# Altium PCB TimeDrive.PcbDoc (part 1 of 4) (continued)
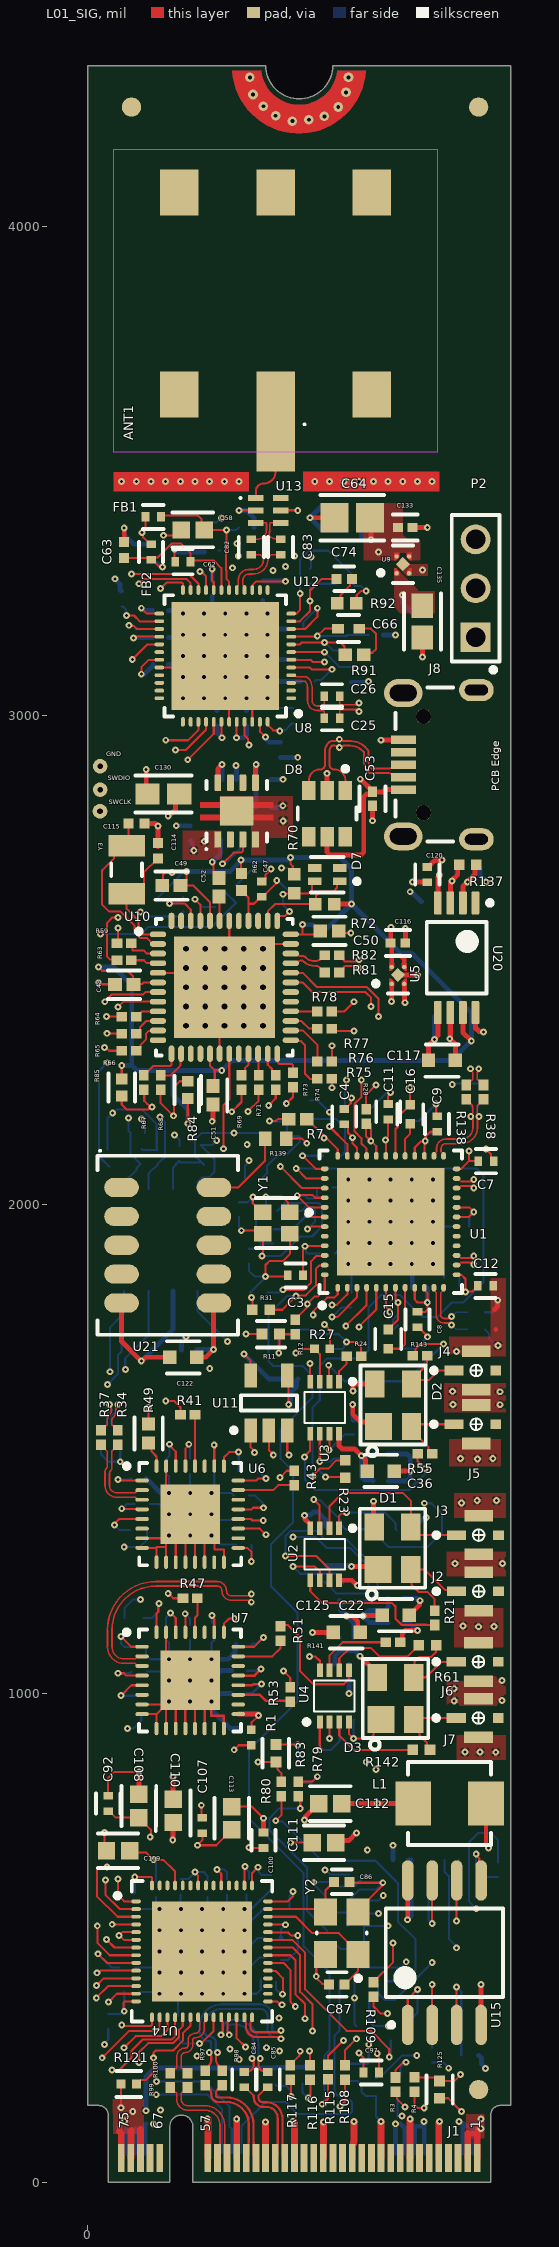
[diagram p0: L01_SIG view]
## Components (designator, comment, footprint, x,y, rotation, side; value= is the part's Value field where it differs from the comment)
ANT1 "Taoglas_UWB_Antenna" "UWC.20 ANTENNA" 384.8,3863.86 r270 top locked
C1 "GRM155R71C104KA88D" FP-GRM15-MFG 485,2035 r180 bottom value=0.10μF
C2 "GRM155R71C104KA88D" FP-GRM15-MFG 490,1900 r180 bottom value=0.10μF
C3 "GRM155R71C104KA88D" FP-GRM15-MFG 425,1855.32 r0 top value=0.10μF
C4 "GRM155R71C104KA88D" FP-GRM15-MFG 525,2180 r90 top value=0.10μF
C5 "GRM155R71C104KA88D" FP-GRM15-MFG 540,1805 r270 bottom value=0.10μF
C6 "GRM155R71C104KA88D" FP-GRM15-MFG 680,1830 r0 bottom value=0.10μF
C7 "GRM155R71C104KA88D" FP-GRM15-MFG 815,2089.02 r0 top value=0.10μF
C8 "GRM155R71C104KA88D" FP-GRM15-MFG 675,1765 r90 top value=0.10μF
C9 "GRM155R71C104KA88D" FP-GRM15-MFG 715,2165 r90 top value=0.10μF
C10 "GRM155R71C104KA88D" FP-GRM15-MFG 715,2160 r90 bottom value=0.10μF
C11 "GRM155R71C104KA88D" FP-GRM15-MFG 615,2190 r90 top value=0.10μF
C12 "GRM155R71C104KA88D" FP-GRM15-MFG 814.02,1833.86 r180 top value=0.10μF
C13 "GRM155R71C104KA88D" FP-GRM15-MFG 745,1850 r0 bottom value=0.10μF
C14 "GRM155R71C104KA88D" FP-GRM15-MFG 765,1955 r0 bottom value=0.10μF
C15 "CC0402KRX7R9BB392" FP-CC0402-MFG 615,1725 r90 top value="3.9 nF"
C16 "CC0402KRX7R9BB392" FP-CC0402-MFG 660,2185 r90 top value="3.9 nF"
C17 "GRM155R61A224KE19D" FP-GRM155-0_05-IPC_A 625,1725 r270 bottom
C18 "GRM155R61A224KE19D" FP-GRM155-0_05-IPC_A 660,2190 r270 bottom
C19 "CL05C6R2CB5NNNC" FP-CL468-IPC_C 310,1990 r90 bottom
C20 "CL05C6R2CB5NNNC" FP-CL468-IPC_C 330,1895 r270 bottom
C21 "GRM155R71C104KA88D" FP-GRM15-MFG 630,1145 r0 bottom value=0.10μF
C22 "10uF_16V_0603" FP-C1608-MFG 630,1160 r0 top value=10uF
C23 "1uF_16V_0402" FP-0402-L_1_0_0_05-W_0_5-IPC_C 630,1195 r0 bottom
C24 "GRM155R71C104KA88D" FP-GRM15-MFG 600,1435 r0 bottom value=0.10μF
C25 "GRM155R71C104KA88D" FP-GRM15-MFG 500,2995 r0 top value=0.10μF
C26 "GRM155R71C104KA88D" FP-GRM15-MFG 500,3040 r0 top value=0.10μF
C27 "0.1uF_16V_0402" FP-GRM15-MFG 160.79,1465.35 r90 bottom value=0.10μF
C28 "0.1uF_16V_0402" FP-GRM15-MFG 210,1465 r90 bottom value=0.10μF
C29 "0.1uF_16V_0402" FP-GRM15-MFG 259.21,1465.35 r90 bottom value=0.10μF
C30 "0.1uF_16V_0402" FP-GRM15-MFG 111.79,1387.32 r180 bottom value=0.10μF
C31 "0.1uF_16V_0402" FP-GRM15-MFG 104.25,1440 r180 bottom value=0.10μF
C32 "0.1uF_16V_0402" FP-GRM15-MFG 325,1455 r0 bottom value=0.10μF
C33 "0.1uF_16V_0402" FP-GRM15-MFG 315,1405 r0 bottom value=0.10μF
C34 "0.1uF_16V_0402" FP-GRM15-MFG 321.09,1354.61 r0 bottom value=0.10μF
C35 "0.1uF_16V_0402" FP-GRM15-MFG 320,1305 r0 bottom value=0.10μF
C36 "10uF_16V_0603" FP-C1608-MFG 600,1455 r0 top value=10uF
C37 "1uF_16V_0402" FP-0402-L_1_0_0_05-W_0_5-IPC_C 600,1490 r0 bottom
C38 "0.1uF_16V_0402" FP-GRM15-MFG 105.75,1045 r180 bottom value=0.10μF
C39 "0.1uF_16V_0402" FP-GRM15-MFG 104.25,1095 r180 bottom value=0.10μF
C40 "0.1uF_16V_0402" FP-GRM15-MFG 160.71,1125.35 r90 bottom value=0.10μF
C41 "0.1uF_16V_0402" FP-GRM15-MFG 210,1125 r90 bottom value=0.10μF
C42 "0.1uF_16V_0402" FP-GRM15-MFG 259.13,1125.35 r90 bottom value=0.10μF
C43 "0.1uF_16V_0402" FP-GRM15-MFG 320,1100 r0 bottom value=0.10μF
C44 "0.1uF_16V_0402" FP-GRM15-MFG 310.75,1046.98 r0 bottom value=0.10μF
C45 "0.1uF_16V_0402" FP-GRM15-MFG 309.25,1000 r0 bottom value=0.10μF
C46 "0.1uF_16V_0402" FP-GRM15-MFG 308.35,942.28 r90 bottom value=0.10μF
C47 "0.1uF_16V_0402" FP-GRM15-MFG 356.49,2645.28 r270 top value=0.10μF
C48 "1uF_16V_0402" FP-0402-L_1_0_0_05-W_0_5-IPC_A 75,2450 r180 top
C49 "1uF_16V_0402" FP-0402-L_1_0_0_05-W_0_5-IPC_A 171.59,2652.78 r180 top
C50 "1uF_16V_0402" FP-0402-L_1_0_0_05-W_0_5-IPC_A 495,2560 r0 top
C51 "1uF_16V_0402" FP-0402-L_1_0_0_05-W_0_5-IPC_A 256.76,2223.71 r270 top
C52 "1uF_16V_0402" FP-0402-L_1_0_0_05-W_0_5-IPC_A 268.95,2649.07 r90 top
C53 "0.1uF_50V_0402" FP-C1005-050-0_05-IPC_C 582.8,2830.29 r270 top
C54 "0.1uF_16V_0402" FP-GRM15-MFG 414.78,1643.79 r0 bottom value=0.10μF
C55 "330pF_50V_0402" FP-GRM155-0_05-MFG 325,3385 r0 bottom
C56 "12pF_50V_0402" CAPC1005X55X25LL05T05 255,3335 r0 bottom
C57 "0.1uF_16V_0402" FP-GRM15-MFG 245,3380 r90 bottom value=0.10μF
C58 "GRM188R61A226ME15D" FP-GRM188-0_2-IPC_C 215,3380 r180 top
C59 "GRM155R71C104KA88D" FP-GRM15-MFG 440,3115 r0 bottom value=0.10μF
C60 "GRM155R71C104KA88D" FP-GRM15-MFG 540,3084.25 r90 bottom value=0.10μF
C61 "GRM155R71C104KA88D" FP-GRM15-MFG 422.49,3177.47 r0 bottom value=0.10μF
C62 "330pF_50V_0402" FP-GRM155-0_05-MFG 195,3315 r180 top
C63 "12pF_50V_0402" CAPC1005X55X25LL05T05 75,3338.86 r270 top
C64 "GRM21BR61A476ME15L" FP-GRM21B-0_2-e0_2_0_7-IPC_A 541.45,3405 r180 top
C65 "0.1uF_16V_0402" FP-GRM15-MFG 130,3335 r90 bottom value=0.10μF
C66 "04025A270JAT2A" FP-0402-L_1_0_1-W_0_5_0_1-MFG 533.97,3178.3 r180 top
C67 "GRM155R71C104KA88D" FP-GRM15-MFG 590,3165 r180 bottom value=0.10μF
C68 "GJM1555C1H1R2BB01D" FP-GJM155-0_05-IPC_B 530,3145 r90 bottom
C69 "0.1uF_16V_0402" FP-GRM15-MFG 265,2995 r90 bottom value=0.10μF
C70 "0.1uF_16V_0402" FP-GRM15-MFG 150,3105 r0 bottom value=0.10μF
C71 "0.1uF_16V_0402" FP-GRM15-MFG 255,3260.75 r270 bottom value=0.10μF
C72 "0.1uF_16V_0402" FP-GRM15-MFG 325,2995 r90 bottom value=0.10μF
C73 "GRM155R71C104KA88D" FP-GRM15-MFG 455,3285 r270 bottom value=0.10μF
C74 "C0402C821K5RACTU" FP-C0402-BB-MFG 525,3280 r0 top value="820 pF"
C75 "18pF_50V_0402" CAPC1005X55X25NL05T10 525,3270 r180 bottom
C76 "0.1uF_16V_0402" FP-GRM15-MFG 149.25,3160 r0 bottom value=0.10μF
C77 "0.1uF_16V_0402" FP-GRM15-MFG 395,2930 r270 bottom value=0.10μF
C78 "0.1uF_16V_0402" FP-GRM15-MFG 149.25,3215 r0 bottom value=0.10μF
C79 "0.1uF_16V_0402" FP-GRM15-MFG 420,3000 r90 bottom value=0.10μF
C80 "0.1uF_16V_0402" FP-GRM15-MFG 70,3239.25 r90 bottom value=0.10μF
C81 "CC0402KRX7R7BB103" FP-CC0402-MFG 358.46,3255.87 r270 bottom value="10 nF"
C82 "GQM1555C2D120FB01D" FP-GQM155-0_05-MFG 335,3345 r90 top
C83 "GQM1555C2D120FB01D" FP-GQM155-0_05-MFG 395,3345 r90 top
C84 "0.1uF_16V_0402" FP-GRM15-MFG 320.76,210.35 r270 top value=0.10μF
C85 "0.1uF_16V_0402" FP-GRM15-MFG 368.69,210.35 r270 top value=0.10μF
C86 "20pF_50V_0402" FP-C0402-BB-MFG 520,615 r180 top value="20 pF"
C87 "20pF_50V_0402" FP-C0402-BB-MFG 510,405 r0 top value="20 pF"
C88 "0.1uF_16V_0402" FP-GRM15-MFG 640.75,660 r0 bottom value=0.10μF
C89 "CC0402KRX7R7BB103" FP-CC0402-MFG 292.2,2746.93 r180 bottom value="10 nF"
C90 "0.1uF_16V_0402" FP-GRM15-MFG 370,410 r0 bottom value=0.10μF
C91 "0.1uF_16V_0402" FP-GRM15-MFG 380,500 r0 bottom value=0.10μF
C92 "0.1uF_16V_0402" FP-GRM15-MFG 42.21,775.29 r270 top value=0.10μF
C93 "0.1uF_16V_0402" FP-GRM15-MFG 185,325 r270 bottom value=0.10μF
C94 "0.1uF_16V_0402" FP-GRM15-MFG 190,605 r90 bottom value=0.10μF
C95 "0.1uF_16V_0402" FP-GRM15-MFG 42.34,329.12 r90 bottom value=0.10μF
C96 "0.1uF_16V_0402" FP-GRM15-MFG 95,575 r90 bottom value=0.10μF
C97 "0.1uF_16V_0402" FP-GRM15-MFG 580.32,225 r180 top value=0.10μF
C98 "0.1uF_16V_0402" FP-GRM15-MFG 240,600 r90 bottom value=0.10μF
C99 "0.1uF_16V_0402" FP-GRM15-MFG 90,390 r180 bottom value=0.10μF
C100 "0.1uF_16V_0402" FP-GRM15-MFG 360,700 r270 top value=0.10μF
C101 "0.1uF_16V_0402" FP-GRM15-MFG 140,600 r90 bottom value=0.10μF
C102 "0.1uF_16V_0402" FP-GRM15-MFG 330,605 r90 bottom value=0.10μF
C103 "0.1uF_16V_0402" FP-GRM15-MFG 285,605 r90 bottom value=0.10μF
C104 "0.1uF_16V_0402" FP-GRM15-MFG 380,455 r0 bottom value=0.10μF
C105 "0.1uF_16V_0402" FP-GRM15-MFG 375.36,612.99 r90 bottom value=0.10μF
C106 "0.1uF_16V_0402" FP-GRM15-MFG 80,440 r180 bottom value=0.10μF
C107 "0.1uF_16V_0402" FP-GRM15-MFG 235,730 r270 top value=0.10μF
C108 "GRM188R61A226ME15D" FP-GRM188-0_2-IPC_C 105,770 r90 top
C109 "GRM188R61A226ME15D" FP-GRM188-0_2-IPC_C 62.39,678.51 r180 top
C110 "GRM188R61A226ME15D" FP-GRM188-0_2-IPC_C 175,760 r90 top
C111 "GRM188R61A226ME15D" FP-GRM188-0_2-IPC_C 483.64,695 r0 top
C112 "GRM188R61A226ME15D" FP-GRM188-0_2-IPC_C 496.36,775 r180 top
C113 "GRM188R61A226ME15D" FP-GRM188-0_2-IPC_C 295,745 r90 top
C114 "12pF_50V_0402" CAPC1005X55X25LL05T05 143.64,2724.07 r90 top
C115 "12pF_50V_0402" CAPC1005X55X25LL05T05 100,2780 r0 top
C116 "1uF_16V_0402" FP-0402-L_1_0_0_05-W_0_5-IPC_C 635,2535 r0 top
C117 "10uF_16V_0603" FP-C1608-MFG 725,2295 r180 top value=10uF
C118 "1uF_16V_0402" FP-0402-L_1_0_0_05-W_0_5-IPC_C 360,2870 r0 bottom
C119 "1uF_16V_0402" FP-0402-L_1_0_0_05-W_0_5-IPC_C 290,2870 r0 bottom
C120 "0.1uF_16V_0402" FP-GRM15-MFG 695,2675 r90 top value=0.10μF
C121 "0.1uF_16V_0402" FP-GRM15-MFG 725,2385 r180 bottom value=0.10μF
C122 "10uF_16V_0603" FP-C1608-MFG 195.56,1688 r180 top value=10uF
C123 "GRM155R71C104KA88D" FP-GRM15-MFG 208,1703 r180 bottom value=0.10μF
C124 "GRM155R71C104KA88D" FP-GRM15-MFG 519.25,1060 r0 bottom value=0.10μF
C125 "10uF_16V_0603" FP-C1608-MFG 530,1125 r0 top value=10uF
C126 "1uF_16V_0402" FP-0402-L_1_0_0_05-W_0_5-IPC_C 530,1115 r0 bottom
C127 "0.1uF_16V_0402" FP-GRM15-MFG 188.37,2104.63 r90 bottom value=0.10μF
C129 "0.1uF_16V_0402" FP-GRM15-MFG 359.63,2812.28 r0 bottom value=0.10μF
C130 "10uF_16V_0603" FP-MK107BA-IPC_A 155,2840 r180 top
C131 "1uF_16V_0402" FP-0402-L_1_0_0_05-W_0_5-IPC_C 210,2760 r90 bottom
C132 "1uF_16V_0402" FP-0402-L_1_0_0_05-W_0_5-IPC_C 540,3380 r180 bottom
C133 "1uF_16V_0402" FP-0402-L_1_0_0_05-W_0_5-IPC_C 650,3385 r0 top
C134 "0.1uF_16V_0402" FP-GRM15-MFG 540,3430 r180 bottom value=0.10μF
C135 "10uF_16V_0603" FP-MK107BA-IPC_A 685,3192.43 r270 top
C136 "1uF_16V_0402" FP-0402-L_1_0_0_05-W_0_5-IPC_C 685,3195 r270 bottom
D1 "8240136" SOT143-4L 623.81,1297.21 r90 top locked
D2 "8240136" SOT143-4L 625,1590 r90 top locked
D3 "8240136" SOT143-4L 630,990 r90 top locked
D7 "HSMF-C165" FP-HSMF-C165-MFG 490,2675 r180 top
D8 "CDSOT23-SRV05-4" FP-CDSOT23-SRV05-4-MFG 490,2800 r270 top
FB1 "BLM15AG601SN1D" FP-BLM15-0_05-MFG 134.43,3406.79 r180 top
FB2 "BLM15AG601SN1D" FP-BLM15-0_05-MFG 130,3335 r90 top
J1 "M2_Fingers" "M.2 PCIE FINGERS" 797.28,50.2 r180 top locked
J2 "RECE-20369-001E-01" TG-RECE-20369-001E-4_V 800.16,1209.17 r270 top locked
J3 "RECE-20369-001E-01" TG-RECE-20369-001E-4_V 800.16,1324.17 r270 top locked
J4 "RECE-20369-001E-01" TG-RECE-20369-001E-4_V 795,1660.83 r270 top locked
J5 "RECE-20369-001E-01" TG-RECE-20369-001E-4_V 795,1550.83 r270 top locked
J6 "RECE-20369-001E-01" TG-RECE-20369-001E-4_V 799.65,1065 r270 top locked
J7 "RECE-20369-001E-01" TG-RECE-20369-001E-4_V 799.65,950 r270 top locked
J8 "629105150521" 629105150521 760,2900 r90 top locked
L1 "1uH_4.5A_27mOhm" FP-IHLP-1616BZ-FP_1_8545x-MFG 740.5,775 r180 top
P2 "22-28-4033" MOLX-22-28-4033_V 793.86,3260.69 r90 top
R1 "100K_5%_0402" RESC1005X40X25LL05T05 335,910 r90 top
R2 "0_5%_0402" RESC1005X40X25LL10T10 530,410 r180 bottom
R3 "0_5%_0402" RESC1005X40X25LL10T10 630,200 r270 top
R4 "0_5%_0402" RESC1005X40X25LL10T10 668.82,200.24 r270 top
R5 "CRCW040210K0JNED" FP-CRCW0402-e3-IPC_B 390,2140 r180 bottom
R6 "CRCW040210K0JNED" FP-CRCW0402-e3-IPC_B 526.55,2175.24 r90 bottom
R7 "0_5%_0402" RESC1005X40X25ML05T10 430,2175 r180 top
R8 "0_5%_0402" RESC1005X40X25ML05T10 500,2100 r0 bottom
R9 "CRCW040210K0JNED" FP-CRCW0402-e3-IPC_B 340,2055 r0 bottom
R10 "CRCW040210K0JNED" FP-CRCW0402-e3-IPC_B 455,2195 r270 bottom
R11 "CRCW040210K0JNED" FP-CRCW0402-e3-IPC_B 375,1735 r180 top
R12 "0_5%_0402" RESC1005X40X25LL10T10 425,1750 r270 top
R13 "CRCW040210K0JNED" FP-CRCW0402-e3-IPC_B 410,1745 r180 bottom
R14 "0_5%_0402" RESC1005X40X25LL10T10 380,1935 r270 bottom
R15 "0_5%_0402" RESC1005X40X25LL10T10 402.44,1987.33 r0 bottom
R16 "49.9_1%_0402" RESC1005X40X25NL05T05 488.98,1280 r270 bottom
R17 "0_5%_0402" RESC1005X40X25LL10T10 647.07,1334.34 r180 bottom
R18 "0_5%_0402" RESC1005X40X25LL10T10 530,1190 r0 bottom
R19 "0_5%_0402" RESC1005X40X25LL10T10 499.2,1228.19 r180 bottom
R20 "0_5%_0402" RESC1005X40X25LL10T10 582.02,1336.03 r180 bottom
R21 "0_5%_0402" RESC1005X40X25LL10T10 710,1155 r90 top
R22 "49.9_1%_0402" RESC1005X40X25NL05T05 509.55,1338.28 r180 bottom
R23 "49.9_1%_0402" RESC1005X40X25NL05T05 527.03,1459.34 r90 top
R24 "0_5%_0402" RESC1005X40X25LL10T10 545,1690 r180 top
R25 "44.2_1%_0402" RESC1005X40X25LL05T05 525,1465 r270 bottom
R26 "0_5%_0402" RESC1005X40X25LL10T10 545,1545 r270 bottom
R27 "44.2_1%_0402" RESC1005X40X25LL05T05 480,1705 r180 top
R28 "0_5%_0402" RESC1005X40X25LL10T10 570,2180 r270 top
R29 "49.9_1%_0402" RESC1005X40X25NL05T05 580,2180 r270 bottom
R30 "44.2_1%_0402" RESC1005X40X25LL05T05 485,225 r90 bottom
R31 "49.9_1%_0402" RESC1005X40X25NL05T05 355,1785 r0 top
R32 "49.9_1%_0402" RESC1005X40X25NL05T05 795,1745 r180 bottom
R33 "49.9_1%_0402" RESC1005X40X25NL05T05 795,1780 r0 bottom
R34 "0_5%_0402" RESC1005X40X25LL10T10 62.07,1523.99 r270 top
R35 "49.9_1%_0402" RESC1005X40X25NL05T05 61.06,1521.98 r90 bottom
R36 "49.9_1%_0402" RESC1005X40X25NL05T05 27.75,1522.1 r270 bottom
R37 "0_5%_0402" RESC1005X40X25LL10T10 27.57,1523.48 r270 top
R38 "0_5%_0402" RESC1005X40X25LL10T10 810,2230 r90 top
R39 "49.9_1%_0402" RESC1005X40X25NL05T05 809.56,2230.07 r270 bottom
R40 "49.9_1%_0402" RESC1005X40X25NL05T05 775,2230 r90 bottom
R41 "0_5%_0402" RESC1005X40X25LL10T10 205,1570 r180 top
R42 "CRCW040210K0JNED" FP-CRCW0402-e3-IPC_B 440,220 r90 bottom
R43 "0_5%_0402" RESC1005X40X25LL10T10 422.82,1440.95 r90 top
R44 "0_5%_0402" RESC1005X40X25LL10T10 435.3,2649.32 r90 bottom
R45 "0_5%_0402" RESC1005X40X25LL10T10 251,2625.54 r270 bottom
R46 "0_5%_0402" RESC1005X40X25LL10T10 196.09,2614.5 r90 bottom
R47 "0_5%_0402" RESC1005X40X25LL10T10 210,1195 r180 top
R48 "CRCW040210K0JNED" FP-CRCW0402-e3-IPC_B 104.24,1334.34 r180 bottom
R49 "CRCW04024K12FKED" FP-CRCW0402-e3-IPC_A 125,1531.93 r90 top
R50 "CRCW040210K0JNED" FP-CRCW0402-e3-IPC_B 303.73,2635.49 r90 bottom
R51 "0_5%_0402" RESC1005X40X25LL10T10 394.68,1123.15 r90 top
R52 "CRCW040210K0JNED" FP-CRCW0402-e3-IPC_B 140.47,2607.04 r90 bottom
R53 "0_5%_0402" RESC1005X40X25LL10T10 414.68,998.15 r90 top
R54 "CRCW040210K0JNED" FP-CRCW0402-e3-IPC_B 44.44,2095.49 r270 bottom
R55 "0_5%_0402" RESC1005X40X25LL10T10 690,1490.83 r0 top
R56 "CRCW040210K0JNED" FP-CRCW0402-e3-IPC_B 111.5,977.72 r90 bottom
R57 "CRCW04024K12FKED" FP-CRCW0402-e3-IPC_A 95,1155 r180 bottom
R58 "49.9_1%_0402" RESC1005X40X25NL05T05 480,1705 r0 bottom
R59 "0_5%_0402" RESC1005X40X25LL10T10 75,2535 r0 top
R60 "0_5%_0402" RESC1005X40X25LL10T10 530.71,945.54 r180 bottom
R61 "49.9_1%_0402" RESC1005X40X25NL05T05 695.59,1099.17 r180 top
R62 "CRCW040210K0JNED" FP-CRCW0402-e3-IPC_B 315,2660 r270 top
R63 "0_5%_0402" RESC1005X40X25LL10T10 75,2500 r0 top
R64 "0_5%_0402" RESC1005X40X25LL10T10 85,2384.68 r0 top
R65 "0_5%_0402" RESC1005X40X25LL10T10 85,2349.68 r0 top
R66 "0_5%_0402" RESC1005X40X25LL10T10 85,2314.68 r0 top
R67 "0_5%_0402" RESC1005X40X25LL10T10 115,2249.68 r90 top
R68 "0_5%_0402" RESC1005X40X25LL10T10 150,2249.68 r90 top
R69 "0_5%_0402" RESC1005X40X25LL10T10 315,2249.68 r90 top
R70 "220_5%_0402" RESC1005X40X25ML05T05 422.5,2656.22 r90 top
R71 "0_5%_0402" RESC1005X40X25LL10T10 350,2249.68 r90 top
R72 "220_5%_0402" RESC1005X40X25ML05T05 485,2614.68 r0 top
R73 "0_5%_0402" RESC1005X40X25LL10T10 385,2249.68 r90 top
R74 "0_5%_0402" RESC1005X40X25LL10T10 420.3,2254.74 r90 top
R75 "0_5%_0402" RESC1005X40X25LL10T10 485,2257.87 r180 top
R76 "0_5%_0402" RESC1005X40X25LL10T10 485,2292.87 r180 top
R77 "0_5%_0402" RESC1005X40X25LL10T10 485,2360 r180 top
R78 "0_5%_0402" RESC1005X40X25LL10T10 485,2395 r180 top
R79 "0_5%_0402" RESC1005X40X25LL10T10 431.38,805 r90 top
R80 "0_5%_0402" RESC1005X40X25LL10T10 396.38,805 r90 top
R81 "0_5%_0402" RESC1005X40X25LL10T10 500,2475 r180 top
R82 "0_5%_0402" RESC1005X40X25LL10T10 500,2510 r180 top
R83 "CRCW040210K0JNED" FP-CRCW0402-e3-IPC_B 385.16,877.8 r90 top
R84 "CRCW040210K0JNED" FP-CRCW0402-e3-IPC_B 205,2234.68 r270 top
R85 "CRCW040210K0JNED" FP-CRCW0402-e3-IPC_B 70,2239.68 r90 top
R86 "CRCW040210K0JNED" FP-CRCW0402-e3-IPC_B 431.38,834.53 r90 bottom
R87 "CRCW040210K0JNED" FP-CRCW0402-e3-IPC_B 237.92,2100.07 r270 bottom
R88 "0_5%_0402" RESC1005X40X25LL10T10 143.48,2097.19 r90 bottom
R89 "0_5%_0402" RESC1005X40X25LL10T10 600.19,411.57 r180 bottom
R90 "11K_1%_0402" RESC1005X40X25LL05T10 450,3070 r180 bottom
R91 "16K_1%_0402" RESC1005X40X25ML05T10 546.3,3125 r0 top
R92 "270_1%_0402" RESC1005X40X25ML05T05 530,3230 r180 top
R93 "499_1%_0402" RESC1005X40X25LL05T05 549.75,477.79 r0 bottom
R94 "499_1%_0402" RESC1005X40X25LL05T05 591.98,373.31 r180 bottom
R95 "0_5%_0402" RESC1005X40X25LL10T10 490,500 r270 bottom
R96 "0_5%_0402" RESC1005X40X25LL10T10 108.1,2097.58 r90 bottom
R97 "0_5%_0402" RESC1005X40X25LL10T10 240.43,213.61 r90 top
R98 "0_5%_0402" RESC1005X40X25LL10T10 275.43,213.61 r90 top
R99 "0_5%_0402" RESC1005X40X25LL10T10 169.51,208.95 r90 top
R100 "0_5%_0402" RESC1005X40X25LL10T10 204.51,208.95 r90 top
R101 "0_5%_0402" RESC1005X40X25LL10T10 102.73,2147 r0 bottom
R102 "0_5%_0402" RESC1005X40X25LL10T10 69.51,1757.77 r90 bottom
R104 "CRCW040210K0JNED" FP-CRCW0402-e3-IPC_B 680,610 r180 bottom
R105 "CRCW040210K0JNED" FP-CRCW0402-e3-IPC_B 782.2,260 r0 bottom
R108 "0_5%_0402" RESC1005X40X25LL10T10 526.73,224.83 r90 top
R109 "0_5%_0402" RESC1005X40X25LL10T10 585,395 r90 top
R110 "0_5%_0402" RESC1005X40X25LL10T10 840,640 r270 bottom
R111 "0_5%_0402" RESC1005X40X25LL10T10 745,660 r0 bottom
R112 "0_5%_0402" RESC1005X40X25LL10T10 705,260 r90 bottom
R113 "0_5%_0402" RESC1005X40X25LL10T10 635,290 r0 bottom
R115 "0_5%_0402" RESC1005X40X25LL10T10 491.82,225.99 r90 top
R116 "0_5%_0402" RESC1005X40X25LL10T10 455,225 r90 top
R117 "0_5%_0402" RESC1005X40X25LL10T10 415,225 r90 top
R120 "22K_1%_0402" RESC1005X40X25NL05T05 395,560 r0 bottom
R121 "200_1%_0402" FP-CRCW0402-e3-IPC_C 84.36,201.2 r0 top
R122 "CRCW040210K0JNED" FP-CRCW0402-e3-IPC_B 550,525 r0 bottom
R123 "CRCW040210K0JNED" FP-CRCW0402-e3-IPC_B 640,200 r270 bottom
R124 "CRCW040210K0JNED" FP-CRCW0402-e3-IPC_B 567.8,320 r0 bottom
R125 "CRCW040210K0JNED" FP-CRCW0402-e3-IPC_B 720,190 r270 top
R126 "CRCW040210K0JNED" FP-CRCW0402-e3-IPC_B 552.8,630 r0 bottom
R127 "CRCW040210K0JNED" FP-CRCW0402-e3-IPC_B 485,570 r90 bottom
R128 "CRCW040210K0JNED" FP-CRCW0402-e3-IPC_B 385,217.8 r90 bottom
R132 "CRCW040210K0JNED" FP-CRCW0402-e3-IPC_B 551.52,576.5 r0 bottom
R133 "CRCW040210K0JNED" FP-CRCW0402-e3-IPC_B 535,225 r90 bottom
R134 "CRCW040210K0JNED" FP-CRCW0402-e3-IPC_B 590,195 r90 bottom
R135 "330_1%_0402" FP-RC1005-IPC_B 700,2620 r180 bottom
R136 "7.5K_1%_0402" RESC1005X40X25ML05T05 777.72,2695 r0 bottom
R137 "3.32K_1%_0402" RESC1005X40X25NL05T05 777.72,2695 r180 top
R138 "0_5%_0402" RESC1005X40X25LL10T10 775,2230 r90 top
R139 "44.2_1%_0402" RESC0402(1005)_M 385,2135 r180 top value="44.20 Ohm"
R140 "49.9_1%_0402" RESC1005X40X25NL05T05 350,1820 r0 bottom
R141 "0_5%_0402" RESC1005X40X25LL10T10 625,1105 r180 top
R142 "49.9_1%_0402" RESC1005X40X25NL05T05 682.72,885 r0 top
R143 "0_5%_0402" RESC1005X40X25LL10T10 680,1690.83 r180 top
U1 "AD9546" AD9546 620,1965 r90 top locked
U2 "NC7WV125K8X" NC7WV125 485,1285 r270 top locked
U3 "NC7WV125K8X" NC7WV125 485,1585 r270 top locked
U4 "NC7WV125K8X" NC7WV125 505,995 r90 top locked
U5 "NCP167AMX330TBG" FP-711AJ-MFG 635,2470 r0 top
U6 "AD9513BCPZ" ADI-CP-32-2_N 210,1366.93 r0 top locked
U7 "AD9513BCPZ" ADI-CP-32-2_N 209.92,1026.93 r0 top locked
U8 "TPS73718DRBR" DRB0008A_V 305,2805 r90 top locked
U9 "NCP167AMX180TBG" FP-711AJ-MFG 645,3310 r0 top
U10 "ATSAMD21G18A-MU" FP-C04-21493-MFG 280,2444.68 r0 top locked
U11 "AT24MAC602-STUM-T" ATML-5TS1_M 371.13,1594.46 r90 top locked
U12 "DW1000" DW1000_FOOTPRINT 281.74,3122.35 r180 top locked
U13 "HHM1595A1" TDK-HHM1595A1_V 370,3420 r0 top locked
U14 "I225" "I225 QFN56" 234.16,472.62 r0 top locked
U15 "M25PX16-VMW6G" MICT-MW-8_N 730,470 r90 top locked
U16 "PCA9540BD,118" FP-SOT96-1-MFG 149.56,1927.65 r270 bottom
U20 "TPS2110APWR" PW0008A_L 755,2505 r270 top locked
U21 "SIT5711" SIT5711 164,1917 r0 top locked
Y1 "402F32011CAR" FP-402-MFG 386.21,1962.44 r180 top
Y2 "ABM8G-25.000MHZ-18-D2Y-T" FP-ABM8G-MFG 520,510 r90 top
Y3 "ABS07-32.768KHz-T" FP-ABS07-MFG 80,2685 r270 top

## Footprints (in the part's own frame and the unit in brackets; to place one, negate y for a bottom-side part, rotate by r counter-clockwise, add the part's x,y. Pads: shape width x height; smd on the part's side, far side on the other; paste and mask are expansions set on the pad)
629105150521 [mm] "Micro USB 2.0 SMT Type B Horizontal 5 Contacts High Current"
  rect 0.45x1.3 smd: 1(-1.3,2.9) 2(-0.65,2.9) 3(0,2.9) 4(0.65,2.9) 5(1.3,2.9)
  round 0.8 hole 0.8 unplated: MH1(-2.5,1.85) MH2(2.5,1.85)
  oval 1.15x1.8 hole 0.55 slot 1.2 at 90 deg: Shell(-3.875,-0.9) Shell(3.875,-0.9)
  oval 1.45x2 hole 0.85 slot 1.4 at 90 deg: Shell(-3.725,2.9) Shell(3.725,2.9)
  silkscreen extent -4,0.3 4,3.3, body extent -4,-3.3 4,3.3, height 2.75
AD9546 [mm] "QFN, 48-Leads, Body 7.00x7.00mm, Pitch 0.50mm, Thermal Pad 5.60x5.60mm, IPC Medium Density"
  oval 0.4x0.25 smd: 1(-3.425,2.75) 2(-3.425,2.25) 3(-3.425,1.75) 4(-3.425,1.25) 5(-3.425,0.75) 6(-3.425,0.25) 7(-3.425,-0.25) 8(-3.425,-0.75) 9(-3.425,-1.25) 10(-3.425,-1.75) 11(-3.425,-2.25) 12(-3.425,-2.75) 25(3.425,-2.75) 26(3.425,-2.25) 27(3.425,-1.75) 28(3.425,-1.25) 29(3.425,-0.75) 30(3.425,-0.25) 31(3.425,0.25) 32(3.425,0.75) 33(3.425,1.25) 34(3.425,1.75) 35(3.425,2.25) 36(3.425,2.75)
  oval 0.25x0.4 smd: 13(-2.75,-3.425) 14(-2.25,-3.425) 15(-1.75,-3.425) 16(-1.25,-3.425) 17(-0.75,-3.425) 18(-0.25,-3.425) 19(0.25,-3.425) 20(0.75,-3.425) 21(1.25,-3.425) 22(1.75,-3.425) 23(2.25,-3.425) 24(2.75,-3.425) 37(2.75,3.425) 38(2.25,3.425) 39(1.75,3.425) 40(1.25,3.425) 41(0.75,3.425) 42(0.25,3.425) 43(-0.25,3.425) 44(-0.75,3.425) 45(-1.25,3.425) 46(-1.75,3.425) 47(-2.25,3.425) 48(-2.75,3.425)
  rect 5.6x5.6 smd: 49(0,0)
  silkscreen extent -4.47,-3.7 3.7,3.7, body extent -3.55,-3.55 3.55,3.55, height 0.8
ADI-CP-32-2_N [mm] "QFN, 32-Leads, Body 5x5mm, Pitch 0.5mm, Thermal Pad 3.1x3.1mm, IPC Medium Density"
  oval 0.7x0.2 smd: 1(-2.5,1.75) 2(-2.5,1.25) 3(-2.5,0.75) 4(-2.5,0.25) 5(-2.5,-0.25) 6(-2.5,-0.75) 7(-2.5,-1.25) 8(-2.5,-1.75) 17(2.5,-1.75) 18(2.5,-1.25) 19(2.5,-0.75) 20(2.5,-0.25) 21(2.5,0.25) 22(2.5,0.75) 23(2.5,1.25) 24(2.5,1.75)
  oval 0.2x0.7 smd: 9(-1.75,-2.5) 10(-1.25,-2.5) 11(-0.75,-2.5) 12(-0.25,-2.5) 13(0.25,-2.5) 14(0.75,-2.5) 15(1.25,-2.5) 16(1.75,-2.5) 25(1.75,2.5) 26(1.25,2.5) 27(0.75,2.5) 28(0.25,2.5) 29(-0.25,2.5) 30(-0.75,2.5) 31(-1.25,2.5) 32(-1.75,2.5)
  rect 3.1x3.1 smd: 33(0,0)
  silkscreen extent -3.42,-2.65 2.65,2.65, body extent -2.5,-2.5 2.5,2.5, height 1
ATML-5TS1_M [mm] "SOT23, 5-Leads, Body 2.9x1.6mm, Pitch 0.95mm, IPC Low Density"
  rect 1.25x0.65 smd: 1(-1.425,0.95) 2(-1.425,0) 3(-1.425,-0.95) 4(1.425,-0.95) 5(1.425,0.95)
  silkscreen extent -1.55,-1.45 0.4,1.95, body extent -1.5,-1.45 1.5,1.45, height 1
CAPC1005X55X25LL05T05 [mm] "Chip Capacitor, 2-Leads, Body 1.00x0.50mm, IPC High Density"
  rect 0.52x0.52 smd: 1(-0.41,0) 2(0.41,0)
  body extent -0.53,-0.28 0.53,0.28, height 0.55
CAPC1005X55X25NL05T10 [mm] "Chip Capacitor, 2-Leads, Body 1.00x0.50mm, IPC Medium Density"
  rect 0.66x0.62 smd: 1(-0.44,0) 2(0.44,0)
  body extent -0.53,-0.28 0.53,0.27, height 0.55
DRB0008A_V [mm] "SON, 8-Leads, Body 3x3mm, Pitch 0.65mm, Thermal Pad 1.50 x 3.8mm"
  rrect29% 0.85x0.35 smd: 1(-1.475,0.975) 2(-1.475,0.325) 3(-1.475,-0.325) 4(-1.475,-0.975) 5(1.475,-0.975) 6(1.475,-0.325) 7(1.475,0.325) 8(1.475,0.975)
  rrect7% 1.5x1.75 smd: 9(0,0)
  L01_SIG region: 0.185,-0.875 0.185,-1.9 0.465,-1.9 0.465,-0.875
  L01_SIG region: -0.185,-0.875 -0.185,-1.9 -0.465,-1.9 -0.465,-0.875
  L01_SIG region: -0.185,0.875 -0.185,1.9 -0.465,1.9 -0.465,0.875
  L01_SIG region: 0.185,0.875 0.185,1.9 0.465,1.9 0.465,0.875
  silkscreen extent -2.02,-1.58 1.57,1.62, body extent -1.5,-1.5 1.5,1.5, height 1
DW1000_FOOTPRINT [mm] "QFN, 48-Leads, Body 6.00x6.00mm, Pitch 0.40mm, Thermal Pad 5.60x5.60mm, IPC Medium Density"
  oval 0.5x0.2 smd: 1(-3.425,2.2) 2(-3.425,1.8) 3(-3.425,1.4) 4(-3.425,1) 5(-3.425,0.6) 6(-3.425,0.2) 7(-3.425,-0.2) 8(-3.425,-0.6) 9(-3.425,-1) 10(-3.425,-1.4) 11(-3.425,-1.8) 12(-3.425,-2.2) 25(3.425,-2.2) 26(3.425,-1.8) 27(3.425,-1.4) 28(3.425,-1) 29(3.425,-0.6) 30(3.425,-0.2) 31(3.425,0.2) 32(3.425,0.6) 33(3.425,1) 34(3.425,1.4) 35(3.425,1.8) 36(3.425,2.2)
  oval 0.2x0.5 smd: 13(-2.2,-3.425) 14(-1.8,-3.425) 15(-1.4,-3.425) 16(-1,-3.425) 17(-0.6,-3.425) 18(-0.2,-3.425) 19(0.2,-3.425) 20(0.6,-3.425) 21(1,-3.425) 22(1.4,-3.425) 23(1.8,-3.425) 24(2.2,-3.425) 37(2.2,3.425) 38(1.8,3.425) 39(1.4,3.425) 40(1,3.425) 41(0.6,3.425) 42(0.2,3.425) 43(-0.2,3.425) 44(-0.6,3.425) 45(-1,3.425) 46(-1.4,3.425) 47(-1.8,3.425) 48(-2.2,3.425)
  rect 5.6x5.6 smd: 49(0,0)
  silkscreen extent -3.93,-3.15 3.15,3.15, body extent -3,-3 3,3, height 0.85
FP-0402-L_1_0_0_05-W_0_5-IPC_A [mil]
  rect 28.16x26.48 smd paste+0 mask+0: 1(-18.84,0) 2(18.84,0)
  silkscreen extent -33,-29 33,29, body extent -41,-21 41,21, height 10
FP-0402-L_1_0_0_05-W_0_5-IPC_C [mil]
  rect 20.29x18.6 smd paste+0 mask+0: 1(-14.9,0) 2(14.9,0)
  silkscreen extent -25,-27 25,27, body extent -20,-10 20,10, height 22
FP-0402-L_1_0_1-W_0_5_0_1-MFG [mm]
  rect 0.6x0.5 smd paste+0 mask+0: 1(-0.55,0) 2(0.55,0)
  silkscreen extent -0.55,-0.7 0.55,0.7, body extent -0.95,-0.4 0.95,0.4, height 0.25
FP-402-MFG [mm]
  rect 0.9x0.8 smd paste+0 mask+0: 1(-0.7,-0.55) 2(0.7,-0.55) 3(0.7,0.55) 4(-0.7,0.55)
  silkscreen extent -1.83,-1.3 1.05,1.3, body extent -1.25,-1.05 1.25,1.05, height 0.25
FP-711AJ-MFG [mm]
  round 0.234 smd paste+0 mask+0: 1(-0.325,-0.47) 2(0.325,-0.47)
  round 0.223 smd paste+0 mask+0: 3(0.325,0.405) 4(-0.325,0.405)
  rect 0.52x0.52 smd rot 135 paste+0 mask+0: 5(0,0)
  L01_SIG region: -0.455,-0.6 -0.455,-0.21 -0.345,-0.21 -0.195,-0.36 -0.195,-0.6
  L01_SIG region: -0.455,0.6 -0.455,0.21 -0.345,0.21 -0.195,0.36 -0.195,0.6
  L01_SIG region: 0.455,0.6 0.455,0.21 0.345,0.21 0.195,0.36 0.195,0.6
  L01_SIG region: 0.455,-0.6 0.455,-0.21 0.345,-0.21 0.195,-0.36 0.195,-0.6
  silkscreen extent -1.27,-0.97 0.53,0.97, body extent -0.63,-0.7 0.63,0.7, height 0.25
FP-ABM8G-MFG [mm]
  rect 1.4x1.2 smd paste+0 mask+0: 1(-1.1,-0.85) 2(1.1,-0.85) 3(1.1,0.85) 4(-1.1,0.85)
  silkscreen extent -2.47,-1.3 0.03,1.3, body extent -1.9,-1.55 1.9,1.55, height 0.25
FP-ABS07-MFG [mm]
  rect 1.1x1.9 smd paste+0 mask+0: 1(-1.25,0) 2(1.25,0)
  silkscreen extent -0.33,-0.8 0.33,0.8, body extent -1.9,-1.05 1.9,1.05, height 0.25
FP-BLM15-0_05-MFG [mm]
  rect 0.4x0.5 smd paste+0 mask+0: 1(-0.4,0) 2(0.4,0)
  silkscreen extent -0.53,-0.63 0.52,0.63, body extent -0.5,-0.25 0.5,0.25, height 0.55
FP-C04-21493-MFG [mm]
  rrect100% 0.85x0.3 smd paste+0 mask+0: 1(-3.45,2.75) 2(-3.45,2.25) 3(-3.45,1.75) 4(-3.45,1.25) 5(-3.45,0.75) 6(-3.45,0.25) 7(-3.45,-0.25) 8(-3.45,-0.75) 9(-3.45,-1.25) 10(-3.45,-1.75) 11(-3.45,-2.25) 12(-3.45,-2.75) 25(3.45,-2.75) 26(3.45,-2.25) 27(3.45,-1.75) 28(3.45,-1.25) 29(3.45,-0.75) 30(3.45,-0.25) 31(3.45,0.25) 32(3.45,0.75) 33(3.45,1.25) 34(3.45,1.75) 35(3.45,2.25) 36(3.45,2.75)
  rrect100% 0.3x0.85 smd paste+0 mask+0: 13(-2.75,-3.45) 14(-2.25,-3.45) 15(-1.75,-3.45) 16(-1.25,-3.45) 17(-0.75,-3.45) 18(-0.25,-3.45) 19(0.25,-3.45) 20(0.75,-3.45) 21(1.25,-3.45) 22(1.75,-3.45) 23(2.25,-3.45) 24(2.75,-3.45) 37(2.75,3.45) 38(2.25,3.45) 39(1.75,3.45) 40(1.25,3.45) 41(0.75,3.45) 42(0.25,3.45) 43(-0.25,3.45) 44(-0.75,3.45) 45(-1.25,3.45) 46(-1.75,3.45) 47(-2.25,3.45) 48(-2.75,3.45)
  rect 5.25x5.25 smd paste+0 mask+0: 49(0,0)
  silkscreen extent -4.57,-3.55 3.55,3.55, body extent -3.98,-3.98 3.98,3.98, height 0.25
FP-C0402-BB-MFG [mm]
  rect 0.52x0.52 smd paste+0 mask+0: 1(-0.4,0) 2(0.4,0)
  silkscreen extent -0.5,-0.64 0.5,0.64, body extent -0.8,-0.4 0.8,0.4, height 0.25
FP-C1005-050-0_05-IPC_C [mil]
  rect 21.23x18.6 smd paste+0 mask+0: 1(-14.43,0) 2(14.43,0)
  silkscreen extent -25,-27 25,27, body extent -29,-15 29,15, height 10
FP-C1608-MFG [mm]
  rect 0.7x0.7 smd paste+0 mask+0: 1(-0.7,0) 2(0.7,0)
  silkscreen extent -0.86,-0.83 0.85,0.85, body extent -1.15,-0.55 1.15,0.55, height 0.25
FP-CC0402-MFG [mm]
  rect 0.5x0.5 smd paste+0 mask+0: 1(-0.5,0) 2(0.5,0)
  silkscreen extent -0.53,-0.68 0.53,0.67, body extent -0.5,-0.25 0.5,0.25, height 0.55
FP-CDSOT23-SRV05-4-MFG [mm]
  rect 1x0.7 smd paste+0 mask+0: 1(-1.2,0.95) 2(-1.2,0) 3(-1.2,-0.95) 4(1.2,-0.95) 5(1.2,0) 6(1.2,0.95)
  silkscreen extent -2.45,-1.53 0.33,1.53, body extent -1.8,-1.63 1.8,1.63, height 0.25
FP-CL468-IPC_C [mil]
  rect 20.29x18.6 smd paste+0 mask+0: 1(-14.9,0) 2(14.9,0)
  silkscreen extent -25,-27 25,27, body extent -20,-10 20,10, height 22
FP-CRCW0402-e3-IPC_A [mil]
  rect 26.31x26.48 smd paste+0 mask+0: 1(-19.77,0) 2(19.77,0)
  silkscreen extent -33,-29 33,29, body extent -41,-21 41,21, height 10
FP-CRCW0402-e3-IPC_B [mil]
  rect 22.37x22.54 smd paste+0 mask+0: 1(-17.8,0) 2(17.8,0)
  silkscreen extent -29,-27 29,27, body extent -20,-10 20,10, height 16
FP-CRCW0402-e3-IPC_C [mil]
  rect 18.43x18.6 smd paste+0 mask+0: 1(-15.83,0) 2(15.83,0)
  silkscreen extent -25,-27 25,27, body extent -29,-15 29,15, height 10
FP-GJM155-0_05-IPC_B [mil]
  rect 24.23x22.54 smd paste+0 mask+0: 1(-16.87,0) 2(16.87,0)
  silkscreen extent -29,-27 29,27, body extent -20,-10 20,10, height 22
FP-GQM155-0_05-MFG [mm]
  rect 0.4x0.5 smd paste+0 mask+0: 1(-0.4,0) 2(0.4,0)
  silkscreen extent -0.53,-0.65 0.53,0.65, body extent -0.7,-0.38 0.7,0.38, height 0.25
FP-GRM15-MFG [mm]
  rect 0.4x0.5 smd paste+0 mask+0: 1(-0.4,0) 2(0.4,0)
  silkscreen extent -0.53,-0.63 0.53,0.63, body extent -0.3,-0.16 0.3,0.16, height 0.33
FP-GRM21B-0_2-e0_2_0_7-IPC_A [mil]
  rect 57.27x61.27 smd paste+0 mask+0: 1(-36.45,0) 2(36.45,0)
  silkscreen extent -65,-46 65,46, body extent -85,-50 85,50, height 10
FP-GRM155-0_05-IPC_A [mil]
  rect 28.16x26.48 smd paste+0 mask+0: 1(-18.84,0) 2(18.84,0)
  silkscreen extent -33,-29 33,29, body extent -20,-10 20,10, height 22
FP-GRM155-0_05-MFG [mm]
  rect 0.4x0.5 smd paste+0 mask+0: 1(-0.4,0) 2(0.4,0)
  silkscreen extent -0.5,-0.65 0.5,0.65, body extent -0.5,-0.25 0.5,0.25, height 0.55
FP-GRM188-0_2-IPC_C [mil]
  rect 35.63x35.68 smd paste+0 mask+0: 1(-23.64,0) 2(23.64,0)
  silkscreen extent -41,-35 41,35, body extent -45,-24 45,24, height 10
FP-HSMF-C165-MFG [mm]
  rect 0.7x0.4 smd paste+0 mask+0: 1(-0.65,0.35) 2(-0.65,-0.35) 3(0.65,0.35) 4(0.65,-0.35)
  silkscreen extent -1.68,-0.92 0.85,0.92, body extent -1.1,-0.65 1.1,0.65, height 0.25
FP-IHLP-1616BZ-FP_1_8545x-MFG [mil]
  rect 73.01x90 smd paste+0 mask+0: 1(-74.5,0) 2(74.5,0)
  silkscreen extent -85,-85 85,85, body extent -115,-89 115,89, height 10
FP-MK107BA-IPC_A [mil]
  rect 49.52x43.78 smd paste+0 mask+0: 1(-32.57,0) 2(32.57,0)
  silkscreen extent -57,-38 57,38, body extent -77,-42 77,42, height 10
FP-RC1005-IPC_B [mil]
  rect 24.23x22.54 smd paste+0 mask+0: 1(-16.87,0) 2(16.87,0)
  silkscreen extent -29,-27 29,27, body extent -20,-10 20,10, height 16
FP-SOT96-1-MFG [mm]
  rect 1.3x0.6 smd paste+0 mask+0: 1(-2.65,1.905) 2(-2.65,0.635) 3(-2.65,-0.635) 4(-2.65,-1.905) 5(2.65,-1.905) 6(2.65,-0.635) 7(2.65,0.635) 8(2.65,1.905)
  silkscreen extent -2.46,-2.5 1.5,2.77, body extent -3,-2.45 3,2.45, height 1.75
"I225 QFN56" [mm]
  oval 0.5x0.2 smd: 1(-3.425,2.6) 2(-3.425,2.2) 3(-3.425,1.8) 4(-3.425,1.4) 5(-3.425,1) 6(-3.425,0.6) 7(-3.425,0.2) 8(-3.425,-0.2) 9(-3.425,-0.6) 10(-3.425,-1) 11(-3.425,-1.4) 12(-3.425,-1.8) 13(-3.425,-2.2) 14(-3.425,-2.6) 29(3.425,-2.6) 30(3.425,-2.2) 31(3.425,-1.8) 32(3.425,-1.4) 33(3.425,-1) 34(3.425,-0.6) 35(3.425,-0.2) 36(3.425,0.2) 37(3.425,0.6) 38(3.425,1) 39(3.425,1.4) 40(3.425,1.8) 41(3.425,2.2) 42(3.425,2.6)
  oval 0.2x0.5 smd: 15(-2.6,-3.425) 16(-2.2,-3.425) 17(-1.8,-3.425) 18(-1.4,-3.425) 19(-1,-3.425) 20(-0.6,-3.425) 21(-0.2,-3.425) 22(0.2,-3.425) 23(0.6,-3.425) 24(1,-3.425) 25(1.4,-3.425) 26(1.8,-3.425) 27(2.2,-3.425) 28(2.6,-3.425) 43(2.6,3.425) 44(2.2,3.425) 45(1.8,3.425) 46(1.4,3.425) 47(1,3.425) 48(0.6,3.425) 49(0.2,3.425) 50(-0.2,3.425) 51(-0.6,3.425) 52(-1,3.425) 53(-1.4,3.425) 54(-1.8,3.425) 55(-2.2,3.425) 56(-2.6,3.425)
  rect 5.2x5.2 smd: 57(0,0)
  silkscreen extent -4.52,-3.65 3.65,3.65, body extent -3.5,-3.5 3.5,3.5, height 0.9
"M.2 PCIE FINGERS" [mm]
  rect 0.35x1.45 smd: 1(0,0) 3(0.5,0) 5(1,0) 7(1.5,0) 9(2,0) 11(2.5,0) 13(3,0) 15(3.5,0) 17(4,0) 19(4.5,0) 21(5,0) 23(5.5,0) 25(6,0) 27(6.5,0) 29(7,0) 31(7.5,0) 33(8,0) 35(8.5,0) 37(9,0) 39(9.5,0) 41(10,0) 43(10.5,0) 45(11,0) 47(11.5,0) 49(12,0) 51(12.5,0) 53(13,0) 55(13.5,0) 57(14,0) 67(16.5,0) 69(17,0) 71(17.5,0) 73(18,0) 75(18.5,0)
  rect 0.35x1.95 smd far side: 2(0.256,-0.25) 4(0.756,-0.25) 6(1.256,-0.25) 8(1.756,-0.25) 10(2.256,-0.25) 12(2.756,-0.25) 14(3.256,-0.25) 16(3.756,-0.25) 18(4.256,-0.25) 20(4.756,-0.25) 22(5.256,-0.25) 24(5.756,-0.25) 26(6.256,-0.25) 28(6.756,-0.25) 30(7.256,-0.25) 32(7.756,-0.25) 34(8.256,-0.25) 36(8.756,-0.25) 38(9.256,-0.25) 40(9.756,-0.25) 42(10.256,-0.25) 44(10.756,-0.25) 46(11.256,-0.25) 48(11.756,-0.25) 50(12.256,-0.25) 52(12.756,-0.25) 54(13.256,-0.25) 56(13.756,-0.25) 58(14.256,-0.25) 68(16.756,-0.25) 70(17.256,-0.25) 72(17.756,-0.25) 74(18.256,-0.25)
MICT-MW-8_N [mm] "SOIC, 8-Leads, Body 6.2x6.1mm, Pitch 1.27mm, IPC Medium Density"
  oval 2.1x0.6 smd: 1(-3.75,1.905) 2(-3.75,0.635) 3(-3.75,-0.635) 4(-3.75,-1.905) 5(3.75,-1.905) 6(3.75,-0.635) 7(3.75,0.635) 8(3.75,1.905)
  silkscreen extent -3.87,-3.05 2.3,3.05, body extent -3.1,-3.05 3.1,3.05
MOLX-22-28-4033_V [mm] "THD, 3-Leads, Body 7.62x2.49mm, Pitch 2.54mm"
  rect 1.55x1.55 hole 1.02: 1(-2.54,0)
  round 1.55 hole 1.02: 2(0,0) 3(2.54,0)
  silkscreen extent -4.36,-1.24 3.81,1.24, body extent -3.81,-1.24 3.81,1.24, height 8.38
NC7WV125 [mm] "TSSOP, 8-Leads, Body 2.00x2.30mm, Pitch 0.50mm, IPC Medium Density"
  rect 0.7x0.3 smd: 1(-1.35,0.75) 2(-1.35,0.25) 3(-1.35,-0.25) 4(-1.35,-0.75) 5(1.35,-0.75) 6(1.35,-0.25) 7(1.35,0.25) 8(1.35,0.75)
  silkscreen extent -1.47,-1.05 0.8,1.58, body extent -1.2,-1.05 1.2,1.05, height 0.9
PW0008A_L [mm] "SOP, 8-Leads, Body 4.5x3.1mm, Pitch 0.65mm, IPC High Density"
  rrect25% 1.2x0.4 smd: 1(-2.85,0.975) 2(-2.85,0.325) 3(-2.85,-0.325) 4(-2.85,-0.975) 5(2.85,-0.975) 6(2.85,-0.325) 7(2.85,0.325) 8(2.85,0.975)
  silkscreen extent -2.97,-1.55 1.85,1.85, body extent -3.23,-1.5 3.23,1.5, height 1.2
RESC0402(1005)_M [mm] "Chip Resistor, Body 1.0x0.5mm, IPC Low Density"
  rect 0.65x0.75 smd: 1(-0.55,0) 2(0.55,0)
  body extent -0.52,-0.28 0.53,0.28, height 0.4
RESC1005X40X25LL05T05 [mm] "Chip Resistor, 2-Leads, Body 1.00x0.50mm, IPC High Density"
  rect 0.45x0.45 smd: 1(-0.4,0) 2(0.4,0)
  body extent -0.53,-0.27 0.53,0.28, height 0.4
RESC1005X40X25LL05T10 [mm] "Chip Resistor, 2-Leads, Body 1.00x0.50mm, IPC High Density"
  rect 0.5x0.45 smd: 1(-0.375,0) 2(0.375,0)
  body extent -0.53,-0.27 0.53,0.28, height 0.4
RESC1005X40X25LL10T10 [mm] "Chip Resistor, 2-Leads, Body 1.00x0.50mm, IPC High Density"
  rect 0.55x0.5 smd: 1(-0.375,0) 2(0.375,0)
  body extent -0.55,-0.3 0.55,0.3, height 0.4
RESC1005X40X25ML05T05 [mm] "Chip Resistor, 2-Leads, Body 1.00x0.50mm, IPC Low Density"
  rect 0.65x0.65 smd: 1(-0.5,0) 2(0.5,0)
  body extent -0.53,-0.27 0.53,0.28, height 0.4
RESC1005X40X25ML05T10 [mm] "Chip Resistor, 2-Leads, Body 1.00x0.50mm, IPC Low Density"
  rect 0.7x0.65 smd: 1(-0.475,0) 2(0.475,0)
  body extent -0.53,-0.27 0.53,0.28, height 0.4
RESC1005X40X25NL05T05 [mm] "Chip Resistor, 2-Leads, Body 1.00x0.50mm, IPC Medium Density"
  rect 0.55x0.55 smd: 1(-0.45,0) 2(0.45,0)
  body extent -0.53,-0.27 0.53,0.28, height 0.4
SIT5711 [mm]
  oval 1.8x1 smd: 1(-2.4,3) 2(-2.4,1.5) 3(-2.4,0) 4(-2.4,-1.5) 5(-2.4,-3) 6(2.4,3) 7(2.4,1.5) 8(2.4,0) 9(2.4,-1.5) 10(2.4,-3)
  silkscreen extent -3.65,-4.65 3.65,4.96, body extent -3.5,-4.5 3.5,4.5, height 6.2
SOT143-4L [mm] "SOT143-4L, 4-Leads, Body 2.95x2.4mm, Pitch 1.70/1.90mm"
  rect 1.4x1.4 smd: 1(-1.1,0.75)
  rect 1.4x1 smd: 2(-1.1,-0.95) 3(1.1,-0.95) 4(1.1,0.95)
  silkscreen extent -2.66,-1.7 2.05,1.7, body extent -1.2,-1.46 1.2,1.46, height 1.03
TDK-HHM1595A1_V [mm] "SMD, 6-Leads, Body 2x1.25mm, Pitch 0.65mm"
  rect 0.8x0.3 smd: 1(-0.65,0.65) 2(-0.65,0) 3(-0.65,-0.65) 4(0.65,-0.65) 5(0.65,0) 6(0.65,0.65)
  silkscreen extent -1.5,0.6 -1.4,0.7, body extent -0.62,-1 0.62,1, height 1.05
TG-RECE-20369-001E-4_V [mm] "Hand Drawn, 4-Leads, Body 1.7x1.7mm"
  rect 0.5x1 smd: 1(0,-1.15)
  rect 0.6x1.5 smd: 2(1,0) 3(-1,0)
  rect 0.5x0.55 smd: 4(0,1.025)
  silkscreen extent -0.3,-2.32 0.3,0.3, body extent -0.85,-0.85 0.85,0.85, height 0.85
"UWC.20 ANTENNA" [mm] "SON, 6-Leads, Body 12.00x12.00mm, Pitch 5.00mm, IPC Medium Density"
  rect 5.2x2 smd paste-0.2: 1(6.65,0)
  rect 2.4x2 smd paste-0.2: 2(5.25,-5) 3(-5.25,-5) 4(-5.25,0) 5(-5.25,5) 6(5.25,5)
  Keep-Out Layer region: -7.5,8.4 8.25,8.4 8.25,-8.4 -7.5,-8.4
  silkscreen extent 6.75,1.45 6.85,1.55, body extent -6,-6 6,6, height 0.25